# KiCad board Panel_R0.5.1_300x300_2layer_step1.kicad_pcb (continued)
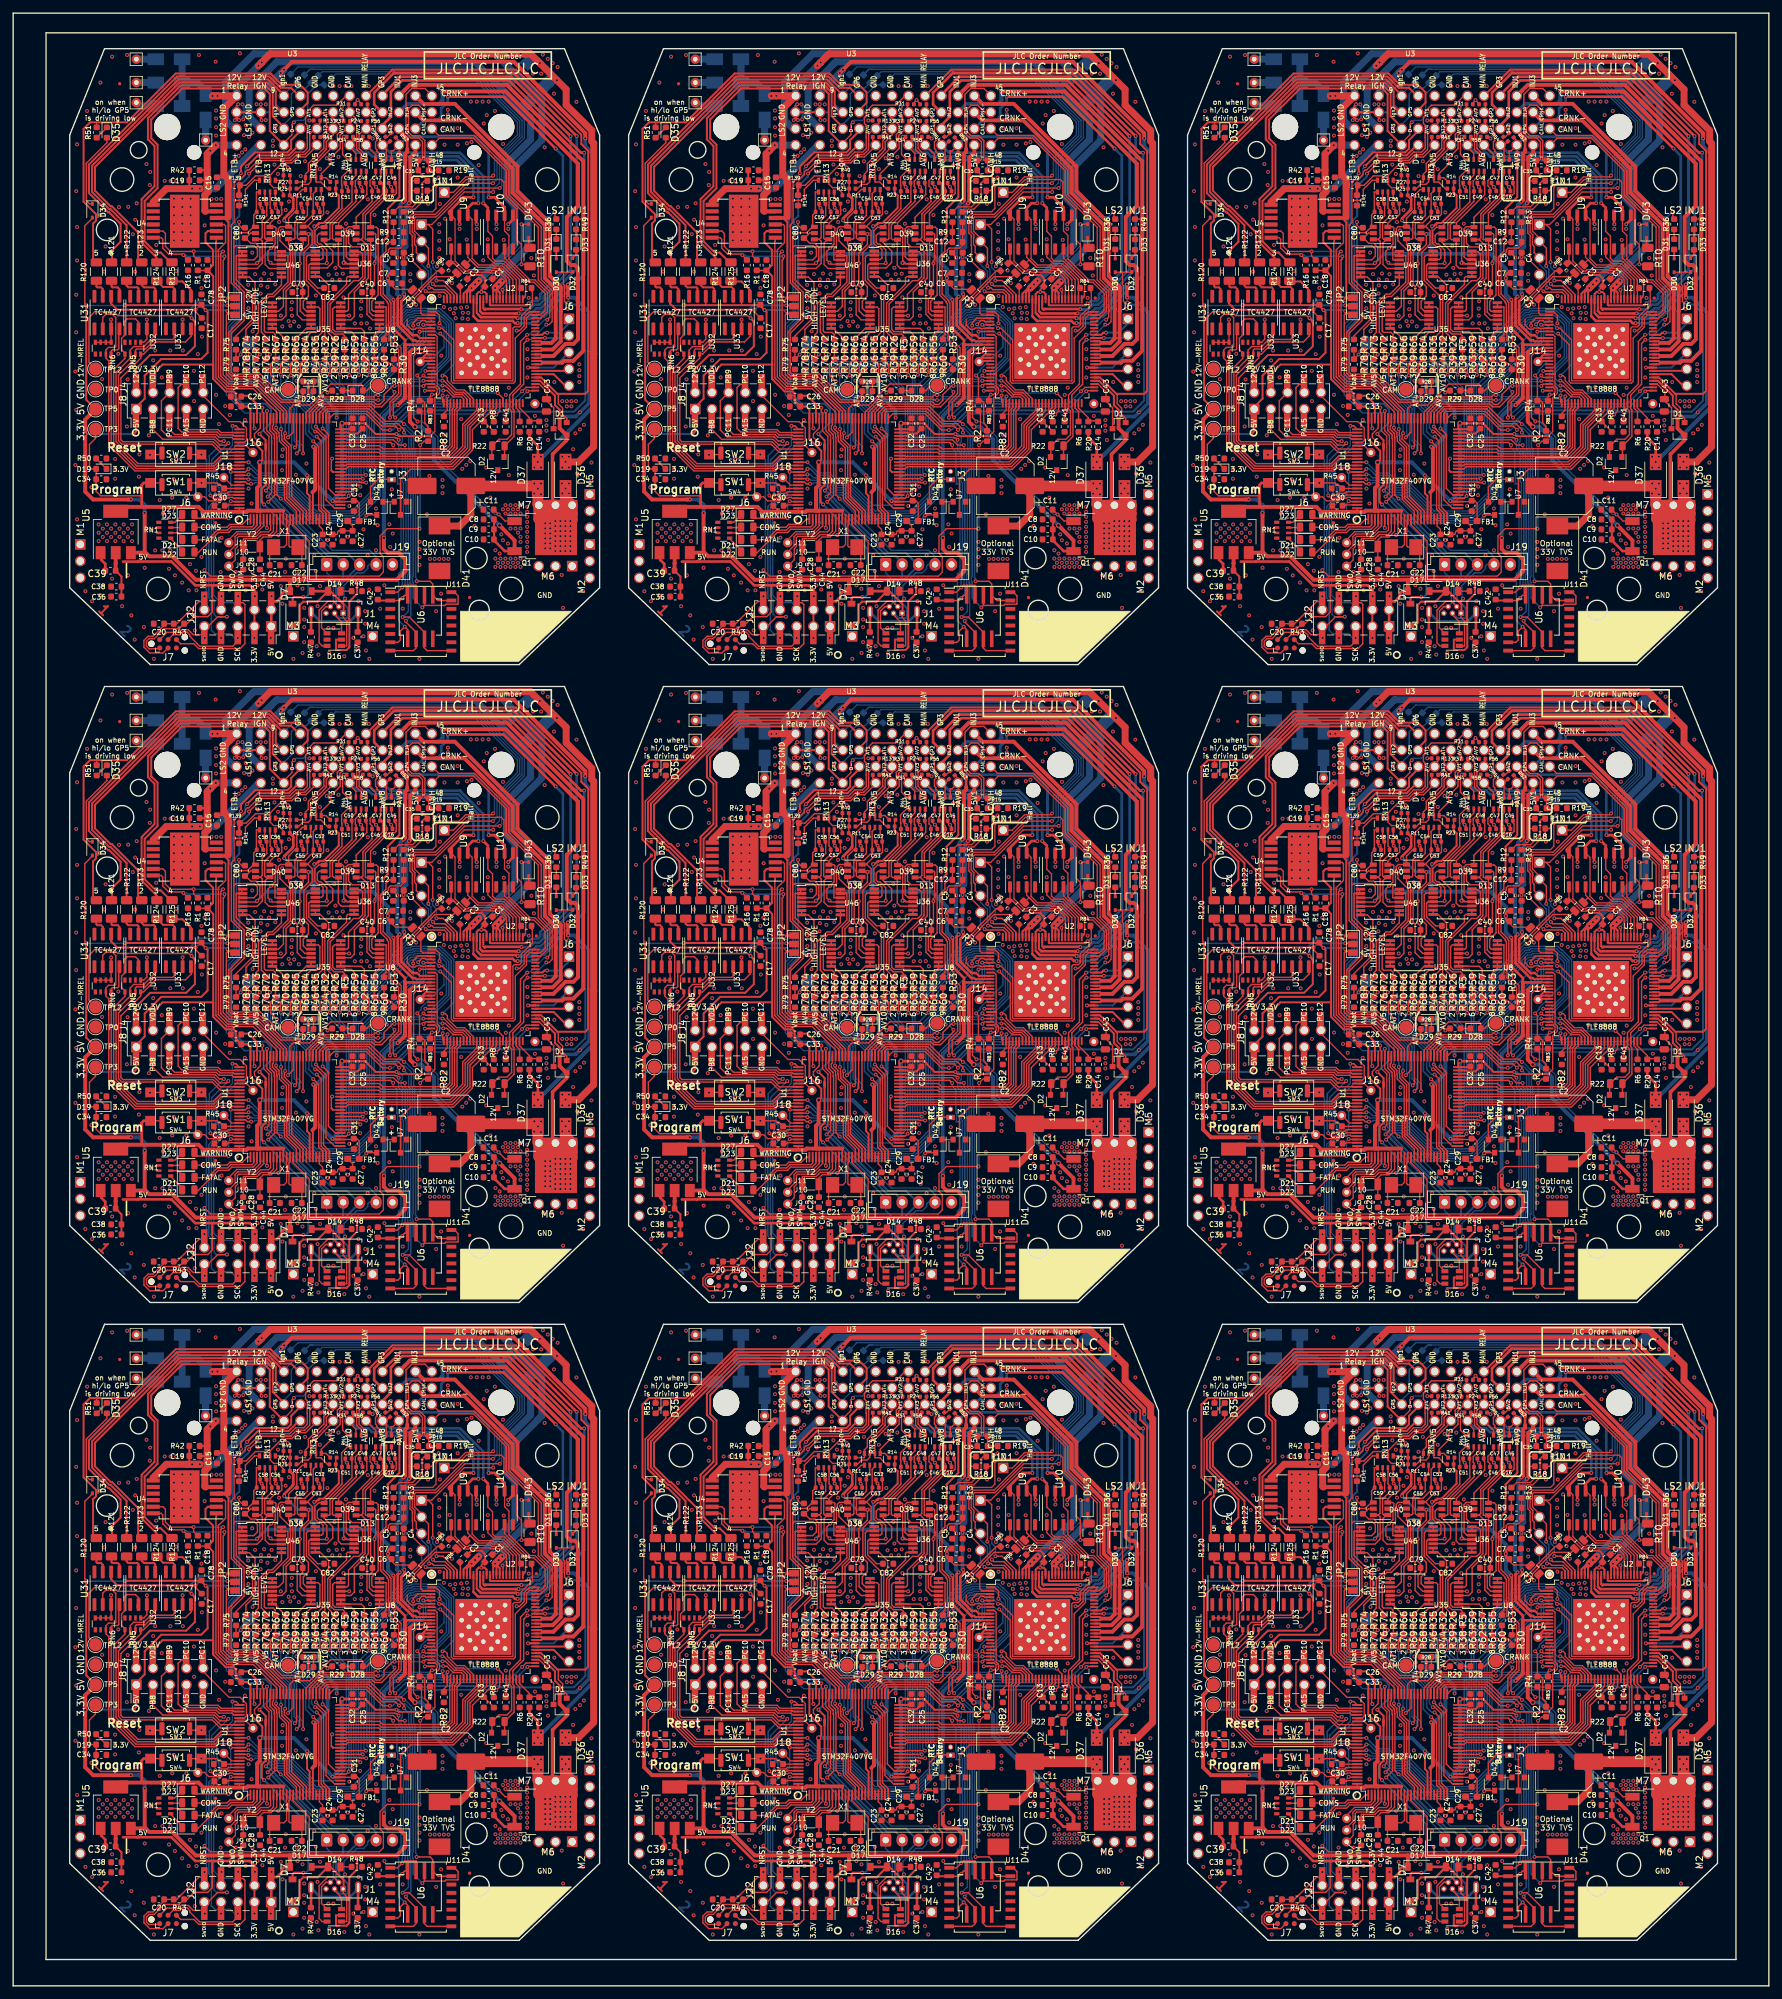
[diagram p0: board, top side]
## Routing (per net, layer and track width the routed paths; a pad name or vN(x,y) marks a point on that pad's centre or on a via; arc(x,y) is an arc through that point) (continued)
/hi-lo/Ign2_MCU: length 370.7
  Top w0.216: U32#2.4 106.6,251.04 104.86,249.29 103.32,249.29 102.8,248.77 RN5#2.6 102.8,247.53 100.65,245.38 100.65,234.82 103.97,231.49 115.4,231.49 116.63,232.72 U1#2.84 ; U32#3.4 191.6,251.04 189.86,249.29 188.32,249.29 187.8,248.77 RN5#3.6 187.8,247.53 185.65,245.38 185.65,234.82 188.97,231.49 200.4,231.49 201.63,232.72 U1#3.84 ; U32#6.4 21.6,154.04 19.86,152.29 18.32,152.29 17.8,151.77 RN5#6.6 17.8,150.53 15.65,148.38 15.65,137.82 18.97,134.49 30.4,134.49 31.63,135.72 U1#4.84 ; U32#5.4 106.6,154.04 104.86,152.29 103.32,152.29 102.8,151.77 RN5#5.6 102.8,150.53 100.65,148.38 100.65,137.82 103.97,134.49 115.4,134.49 116.63,135.72 U1#6.84 ; U32#4.4 191.6,154.04 189.86,152.29 188.32,152.29 187.8,151.77 RN5#4.6 187.8,150.53 185.65,148.38 185.65,137.82 188.97,134.49 200.4,134.49 201.63,135.72 U1#5.84 ; U1#9.84 116.63,38.72 115.4,37.49 103.97,37.49 100.65,40.82 100.65,51.38 102.8,53.53 RN5#8.6 102.8,54.77 103.32,55.29 104.86,55.29 106.6,57.04 U32#8.4 ; U32#7.4 191.6,57.04 189.86,55.29 188.32,55.29 187.8,54.77 RN5#7.6 187.8,53.53 185.65,51.38 185.65,40.82 188.97,37.49 200.4,37.49 201.63,38.72 U1#8.84 ; U1#7.84 31.63,38.72 30.4,37.49 18.97,37.49 15.65,40.82 15.65,51.38 17.8,53.53 RN5#9.6 17.8,54.77 18.32,55.29 19.86,55.29 21.6,57.04 U32#9.4 ; U32.4 21.6,251.04 19.86,249.29 18.32,249.29 17.8,248.77 RN5.6 17.8,247.53 15.65,245.38 15.65,234.82 18.97,231.49 30.4,231.49 31.63,232.72 U1.84
/hi-lo/Ign3_MCU: length 384.7
  Top w0.216: U1#2.83 116.5,233.22 115.27,234.45 101.54,234.45 101.02,234.97 101.02,244.95 103.6,247.53 RN5#2.7 103.6,248.77 103.76,248.92 105.09,248.92 106.54,250.37 109.27,250.37 109.5,250.6 U33#2.2 ; 109.56,252.21 109.56,251.5 ; U33#3.2 194.5,250.6 194.27,250.37 191.54,250.37 190.09,248.92 188.76,248.92 188.6,248.77 RN5#3.7 188.6,247.53 186.02,244.95 186.02,234.97 186.54,234.45 200.27,234.45 201.5,233.22 U1#3.83 ; 194.56,252.21 194.56,251.5 ; U1#4.83 31.5,136.22 30.27,137.45 16.54,137.45 16.02,137.97 16.02,147.95 18.6,150.53 RN5#6.7 18.6,151.77 18.76,151.92 20.09,151.92 21.54,153.37 24.27,153.37 24.5,153.6 U33#6.2 ; 24.56,155.21 24.56,154.5 ; U33#5.2 109.5,153.6 109.27,153.37 106.54,153.37 105.09,151.92 103.76,151.92 103.6,151.77 RN5#5.7 103.6,150.53 101.02,147.95 101.02,137.97 101.54,137.45 115.27,137.45 116.5,136.22 U1#6.83 ; 109.56,155.21 109.56,154.5 ; 194.56,155.21 194.56,154.5 ; U33#4.2 194.5,153.6 194.27,153.37 191.54,153.37 190.09,151.92 188.76,151.92 188.6,151.77 RN5#4.7 188.6,150.53 186.02,147.95 186.02,137.97 186.54,137.45 200.27,137.45 201.5,136.22 U1#5.83 ; 109.56,58.21 109.56,57.5 ; U33#8.2 109.5,56.6 109.27,56.37 106.54,56.37 105.09,54.92 103.76,54.92 103.6,54.77 RN5#8.7 103.6,53.53 101.02,50.95 101.02,40.97 101.54,40.45 115.27,40.45 116.5,39.22 U1#9.83 ; 194.56,58.21 194.56,57.5 ; U33#7.2 194.5,56.6 194.27,56.37 191.54,56.37 190.09,54.92 188.76,54.92 188.6,54.77 RN5#7.7 188.6,53.53 186.02,50.95 186.02,40.97 186.54,40.45 200.27,40.45 201.5,39.22 U1#8.83 ; 24.56,58.21 24.56,57.5 ; U33#9.2 24.5,56.6 24.27,56.37 21.54,56.37 20.09,54.92 18.76,54.92 18.6,54.77 RN5#9.7 18.6,53.53 16.02,50.95 16.02,40.97 16.54,40.45 30.27,40.45 31.5,39.22 U1#7.83 ; U33.2 24.5,250.6 24.27,250.37 21.54,250.37 20.09,248.92 18.76,248.92 18.6,248.77 RN5.7 18.6,247.53 16.02,244.95 16.02,234.97 16.54,234.45 30.27,234.45 31.5,233.22 U1.83 ; 24.56,252.21 24.56,251.5
/hi-lo/Ign4_MCU: length 380.9
  Top w0.216: 112.1,251.5 112.1,250.91 111.2,250 106.69,250 104.84,248.15 RN5#2.8 104.4,247.53 101.38,244.52 101.38,235.12 101.69,234.82 115.42,234.82 116.52,233.72 U1#2.82 ; 197.1,251.5 197.1,250.91 196.2,250 191.69,250 189.84,248.15 RN5#3.8 189.4,247.53 186.38,244.52 186.38,235.12 186.69,234.82 200.42,234.82 201.52,233.72 U1#3.82 ; 27.1,154.5 27.1,153.91 26.2,153 21.69,153 19.84,151.15 RN5#6.8 19.4,150.53 16.38,147.52 16.38,138.12 16.69,137.82 30.42,137.82 31.52,136.72 U1#4.82 ; 112.1,154.5 112.1,153.91 111.2,153 106.69,153 104.84,151.15 RN5#5.8 104.4,150.53 101.38,147.52 101.38,138.12 101.69,137.82 115.42,137.82 116.52,136.72 U1#6.82 ; 197.1,154.5 197.1,153.91 196.2,153 191.69,153 189.84,151.15 RN5#4.8 189.4,150.53 186.38,147.52 186.38,138.12 186.69,137.82 200.42,137.82 201.52,136.72 U1#5.82 ; 112.1,57.5 112.1,56.9 111.2,56 106.69,56 104.84,54.15 RN5#8.8 104.4,53.53 101.38,50.52 101.38,41.12 101.69,40.82 115.42,40.82 116.52,39.72 U1#9.82 ; U1#8.82 201.52,39.72 200.42,40.82 186.69,40.82 186.38,41.12 186.38,50.52 189.4,53.53 RN5#7.8 189.84,54.15 191.69,56 196.2,56 197.1,56.9 197.1,57.5 ; 27.1,57.5 27.1,56.9 26.2,56 21.69,56 19.84,54.15 RN5#9.8 19.4,53.53 16.38,50.52 16.38,41.12 16.69,40.82 30.42,40.82 31.52,39.72 U1#7.82 ; U1.82 31.52,233.72 30.42,234.82 16.69,234.82 16.38,235.12 16.38,244.52 19.4,247.53 RN5.8 19.84,248.15 21.69,250 26.2,250 27.1,250.91 27.1,251.5
/Ign1: length 505.1
  Top w0.305: 101.7,262.1 102.25,262.1 102.25,267.75 99.83,270.17 99.64,270.17 96.99,272.81 96.99,276.8 110.1,289.91 123.78,289.91 125.83,287.85 125.83,287.54 ; 186.7,262.1 187.25,262.1 187.25,267.75 184.83,270.17 184.64,270.17 181.99,272.81 181.99,276.8 195.1,289.91 208.78,289.91 210.83,287.85 210.83,287.54 ; 101.7,165.1 102.25,165.1 102.25,170.75 99.83,173.17 99.64,173.17 96.99,175.81 96.99,179.8 110.1,192.91 123.78,192.91 125.83,190.85 125.83,190.54 ; 16.7,165.1 17.25,165.1 17.25,170.75 14.83,173.17 14.64,173.17 11.99,175.81 11.99,179.8 25.1,192.91 38.78,192.91 40.83,190.85 40.83,190.54 ; 186.7,165.1 187.25,165.1 187.25,170.75 184.83,173.17 184.64,173.17 181.99,175.81 181.99,179.8 195.1,192.91 208.78,192.91 210.83,190.85 210.83,190.54 ; 125.83,93.54 125.83,93.85 123.78,95.91 110.1,95.91 96.99,82.8 96.99,78.81 99.64,76.17 99.83,76.17 102.25,73.75 102.25,68.1 101.7,68.1 ; 186.7,68.1 187.25,68.1 187.25,73.75 184.83,76.17 184.64,76.17 181.99,78.81 181.99,82.8 195.1,95.91 208.78,95.91 210.83,93.85 210.83,93.54 ; 16.7,68.1 17.25,68.1 17.25,73.75 14.83,76.17 14.64,76.17 11.99,78.81 11.99,82.8 25.1,95.91 38.78,95.91 40.83,93.85 40.83,93.54 ; 40.83,287.54 40.83,287.85 38.78,289.91 25.1,289.91 11.99,276.8 11.99,272.81 14.64,270.17 14.83,270.17 17.25,267.75 17.25,262.1 16.7,262.1
  Bottom w0.203: R21#2.1 128.1,289.4 127.9,289.4 126.17,287.67 U3#2.9 126.17,287.57 ; R21#3.1 213.1,289.4 212.9,289.4 211.17,287.67 U3#3.9 211.17,287.57 ; R21#4.1 43.1,192.4 42.9,192.4 41.17,190.67 U3#4.9 41.17,190.57 ; R21#6.1 128.1,192.4 127.9,192.4 126.17,190.67 U3#6.9 126.17,190.57 ; R21#5.1 213.1,192.4 212.9,192.4 211.17,190.67 U3#5.9 211.17,190.57 ; R21#9.1 128.1,95.4 127.9,95.4 126.17,93.67 U3#9.9 126.17,93.57 ; 211.17,93.57 U3#7.9 211.17,93.67 212.9,95.4 213.1,95.4 R21#8.1 ; R21#7.1 43.1,95.4 42.9,95.4 41.17,93.67 U3#8.9 41.17,93.57 ; 41.17,287.57 U3.9 41.17,287.67 42.9,289.4 43.1,289.4 R21.1
/Ign2: length 544.9
  Top w0.305: 104,262.1 104,266.65 100.02,270.62 99.82,270.62 97.45,273 97.45,276.61 110.29,289.45 123.59,289.45 124.94,288.1 124.94,285.76 125.83,284.87 ; 189,262.1 189,266.65 185.02,270.62 184.82,270.62 182.45,273 182.45,276.61 195.29,289.45 208.59,289.45 209.94,288.1 209.94,285.76 210.83,284.87 ; 104,165.1 104,169.65 100.02,173.62 99.82,173.62 97.45,176 97.45,179.61 110.29,192.45 123.59,192.45 124.94,191.1 124.94,188.76 125.83,187.87 ; 19,165.1 19,169.65 15.02,173.62 14.83,173.62 12.45,176 12.45,179.61 25.29,192.45 38.59,192.45 39.94,191.1 39.94,188.76 40.83,187.87 ; 189,165.1 189,169.65 185.02,173.62 184.82,173.62 182.45,176 182.45,179.61 195.29,192.45 208.59,192.45 209.94,191.1 209.94,188.76 210.83,187.87 ; 125.83,90.87 124.94,91.76 124.94,94.1 123.59,95.45 110.29,95.45 97.45,82.61 97.45,79 99.82,76.62 100.02,76.62 104,72.65 104,68.1 ; 189,68.1 189,72.65 185.02,76.62 184.82,76.62 182.45,79 182.45,82.61 195.29,95.45 208.59,95.45 209.94,94.1 209.94,91.76 210.83,90.87 ; 19,68.1 19,72.65 15.02,76.62 14.83,76.62 12.45,79 12.45,82.61 25.29,95.45 38.59,95.45 39.94,94.1 39.94,91.76 40.83,90.87 ; 40.83,284.87 39.94,285.76 39.94,288.1 38.59,289.45 25.29,289.45 12.45,276.61 12.45,273 14.83,270.62 15.02,270.62 19,266.65 19,262.1
  Bottom w0.203: R33.1 39.9,288.4 39.9,286.21 U3.10 ; 126.05,289.6 126.6,289.6 126.59,289.59 ; U3#2.10 124.9,286.21 124.9,288.4 R33#2.1 ; 211.59,289.59 211.6,289.6 211.05,289.6 ; R33#3.1 209.9,288.4 209.9,286.21 U3#3.10 ; 41.05,192.6 41.6,192.6 41.59,192.59 ; U3#4.10 39.9,189.21 39.9,191.4 R33#4.1 ; 126.59,192.59 126.6,192.6 126.05,192.6 ; R33#6.1 124.9,191.4 124.9,189.21 U3#6.10 ; 211.59,192.59 211.6,192.6 211.05,192.6 ; R33#5.1 209.9,191.4 209.9,189.21 U3#5.10 ; 126.59,95.59 126.6,95.6 126.05,95.6 ; R33#9.1 124.9,94.4 124.9,92.21 U3#9.10 ; 211.59,95.59 211.6,95.6 211.05,95.6 ; R33#7.1 209.9,94.4 209.9,92.21 U3#7.10 ; 41.59,95.59 41.6,95.6 41.05,95.6 ; R33#8.1 39.9,94.4 39.9,92.21 U3#8.10 ; 41.05,289.6 41.6,289.6 41.59,289.59
/Ign3: length 550.9
  Top w0.305: 125.83,282.46 125.83,282.98 124.48,284.33 124.48,287.91 123.4,288.99 110.48,288.99 105.5,284.01 105.5,280.8 106.5,279.8 106.5,273.68 104.54,271.72 104.54,265.1 106.8,262.84 106.8,262.6 106.3,262.1 ; 210.83,282.46 210.83,282.98 209.48,284.33 209.48,287.91 208.4,288.99 195.48,288.99 190.5,284.01 190.5,280.8 191.5,279.8 191.5,273.68 189.54,271.72 189.54,265.1 191.8,262.84 191.8,262.6 191.3,262.1 ; 40.83,185.46 40.83,185.98 39.48,187.33 39.48,190.91 38.4,191.99 25.48,191.99 20.5,187.01 20.5,183.8 21.5,182.8 21.5,176.68 19.54,174.72 19.54,168.1 21.8,165.84 21.8,165.6 21.3,165.1 ; 125.83,185.46 125.83,185.98 124.48,187.33 124.48,190.91 123.4,191.99 110.48,191.99 105.5,187.01 105.5,183.8 106.5,182.8 106.5,176.68 104.54,174.72 104.54,168.1 106.8,165.84 106.8,165.6 106.3,165.1 ; 191.3,165.1 191.8,165.6 191.8,165.84 189.54,168.1 189.54,174.72 191.5,176.68 191.5,182.8 190.5,183.8 190.5,187.01 195.48,191.99 208.4,191.99 209.48,190.91 209.48,187.33 210.83,185.98 210.83,185.46 ; 106.3,68.1 106.8,68.6 106.8,68.84 104.54,71.1 104.54,77.72 106.5,79.68 106.5,85.8 105.5,86.8 105.5,90.01 110.48,94.99 123.4,94.99 124.48,93.91 124.48,90.33 125.83,88.98 125.83,88.46 ; 191.3,68.1 191.8,68.6 191.8,68.84 189.54,71.1 189.54,77.72 191.5,79.68 191.5,85.8 190.5,86.8 190.5,90.01 195.48,94.99 208.4,94.99 209.48,93.91 209.48,90.33 210.83,88.98 210.83,88.46 ; 40.83,88.46 40.83,88.98 39.48,90.33 39.48,93.91 38.4,94.99 25.48,94.99 20.5,90.01 20.5,86.8 21.5,85.8 21.5,79.68 19.54,77.72 19.54,71.1 21.8,68.84 21.8,68.6 21.3,68.1 ; 21.3,262.1 21.8,262.6 21.8,262.84 19.54,265.1 19.54,271.72 21.5,273.68 21.5,279.8 20.5,280.8 20.5,284.01 25.48,288.99 38.4,288.99 39.48,287.91 39.48,284.33 40.83,282.98 40.83,282.46
  Bottom w0.203: U3#2.11 126.17,283.07 127.3,284.2 127.3,287.7 128.2,288.6 129.5,288.6 R80#2.1 ; R80#3.1 214.5,288.6 213.2,288.6 212.3,287.7 212.3,284.2 211.17,283.07 U3#3.11 ; U3#4.11 41.17,186.07 42.3,187.2 42.3,190.7 43.2,191.6 44.5,191.6 R80#4.1 ; R80#6.1 129.5,191.6 128.2,191.6 127.3,190.7 127.3,187.2 126.17,186.07 U3#6.11 ; U3#5.11 211.17,186.07 212.3,187.2 212.3,190.7 213.2,191.6 214.5,191.6 R80#5.1 ; R80#9.1 129.5,94.6 128.2,94.6 127.3,93.7 127.3,90.2 126.17,89.07 U3#9.11 ; U3#7.11 211.17,89.07 212.3,90.2 212.3,93.7 213.2,94.6 214.5,94.6 R80#8.1 ; U3#8.11 41.17,89.07 42.3,90.2 42.3,93.7 43.2,94.6 44.5,94.6 R80#7.1 ; R80.1 44.5,288.6 43.2,288.6 42.3,287.7 42.3,284.2 41.17,283.07 U3.11
/Ign4: length 610.2
  Top w0.203: v1(127.7,283.4) 127.4,283.1 127.4,281.5 126.17,280.27 U3#2.12 ; v1(212.7,283.4) 212.4,283.1 212.4,281.5 211.17,280.27 U3#3.12 ; v1(42.7,186.4) 42.4,186.1 42.4,184.5 41.17,183.27 U3#4.12 ; v1(127.7,186.4) 127.4,186.1 127.4,184.5 126.17,183.27 U3#6.12 ; v1(212.7,186.4) 212.4,186.1 212.4,184.5 211.17,183.27 U3#5.12 ; v1(127.7,89.4) 127.4,89.1 127.4,87.5 126.17,86.27 U3#9.12 ; v1(212.7,89.4) 212.4,89.1 212.4,87.5 211.17,86.27 U3#7.12 ; v1(42.7,89.4) 42.4,89.1 42.4,87.5 41.17,86.27 U3#8.12 ; v1(42.7,283.4) 42.4,283.1 42.4,281.5 41.17,280.27 U3.12
  Top w0.305: 126.18,279.93 124.02,282.09 124.02,287.72 123.2,288.54 110.7,288.54 106,283.83 106,280.95 106.96,279.99 106.96,273.39 105,271.43 105,265.29 106.69,263.6 107.43,263.6 108.93,262.1 R125#2.1 108.6,262.1 ; 193.6,262.1 R125#3.1 193.93,262.1 192.43,263.6 191.69,263.6 190,265.29 190,271.43 191.96,273.39 191.96,279.99 191,280.95 191,283.83 195.7,288.54 208.2,288.54 209.02,287.72 209.02,282.09 211.18,279.93 ; 41.18,182.93 39.02,185.09 39.02,190.72 38.2,191.54 25.7,191.54 21,186.83 21,183.95 21.96,182.99 21.96,176.39 20,174.43 20,168.29 21.69,166.6 22.43,166.6 23.93,165.1 R125#6.1 23.6,165.1 ; 108.6,165.1 R125#5.1 108.93,165.1 107.43,166.6 106.69,166.6 105,168.29 105,174.43 106.96,176.39 106.96,182.99 106,183.95 106,186.83 110.7,191.54 123.2,191.54 124.02,190.72 124.02,185.09 126.18,182.93 ; 193.6,165.1 R125#4.1 193.93,165.1 192.43,166.6 191.69,166.6 190,168.29 190,174.43 191.96,176.39 191.96,182.99 191,183.95 191,186.83 195.7,191.54 208.2,191.54 209.02,190.72 209.02,185.09 211.18,182.93 ; 108.6,68.1 R125#8.1 108.93,68.1 107.43,69.6 106.69,69.6 105,71.29 105,77.43 106.96,79.39 106.96,85.99 106,86.95 106,89.83 110.7,94.54 123.2,94.54 124.02,93.72 124.02,88.09 126.18,85.93 ; 193.6,68.1 R125#7.1 193.93,68.1 192.43,69.6 191.69,69.6 190,71.29 190,77.43 191.96,79.39 191.96,85.99 191,86.95 191,89.83 195.7,94.54 208.2,94.54 209.02,93.72 209.02,88.09 211.18,85.93 ; 41.18,85.93 39.02,88.09 39.02,93.72 38.2,94.54 25.7,94.54 21,89.83 21,86.95 21.96,85.99 21.96,79.39 20,77.43 20,71.29 21.69,69.6 22.43,69.6 23.93,68.1 R125#9.1 23.6,68.1 ; 41.18,279.93 39.02,282.09 39.02,287.72 38.2,288.54 25.7,288.54 21,283.83 21,280.95 21.96,279.99 21.96,273.39 20,271.43 20,265.29 21.69,263.6 22.43,263.6 23.93,262.1 R125.1 23.6,262.1
  Bottom w0.203: v1(127.7,283.4) 128,283.7 129.15,283.7 129.8,284.35 129.8,287.7 131.19,289.09 R81#2.1 ; R81#3.1 216.19,289.09 214.8,287.7 214.8,284.35 214.15,283.7 213,283.7 v1(212.7,283.4) ; v1(42.7,186.4) 43,186.7 44.15,186.7 44.8,187.35 44.8,190.7 46.19,192.09 R81#4.1 ; R81#6.1 131.19,192.09 129.8,190.7 129.8,187.35 129.15,186.7 128,186.7 v1(127.7,186.4) ; v1(212.7,186.4) 213,186.7 214.15,186.7 214.8,187.35 214.8,190.7 216.19,192.09 R81#5.1 ; R81#9.1 131.19,95.09 129.8,93.7 129.8,90.35 129.15,89.7 128,89.7 v1(127.7,89.4) ; R81#8.1 216.19,95.09 214.8,93.7 214.8,90.35 214.15,89.7 213,89.7 v1(212.7,89.4) ; R81#7.1 46.19,95.09 44.8,93.7 44.8,90.35 44.15,89.7 43,89.7 v1(42.7,89.4) ; R81.1 46.19,289.09 44.8,287.7 44.8,284.35 44.15,283.7 43,283.7 v1(42.7,283.4)
/INJECTOR-1: length 655.2
  Top w0.203: 171.6,268.7 170.61,268.7 R49#2.2 ; 256.6,268.7 255.61,268.7 R49#3.2 ; 256.6,171.7 255.61,171.7 R49#5.2 ; 171.6,171.7 170.61,171.7 R49#4.2 ; 86.6,171.7 85.61,171.7 R49#6.2 ; 171.6,74.7 170.61,74.7 R49#7.2 ; 86.6,74.7 85.61,74.7 R49#9.2 ; 256.6,74.7 255.61,74.7 R49#8.2 ; R49.2 85.61,268.7 86.6,268.7
  Top w0.305: U2#2.60 165.3,247.1 165.55,246.85 165.3,246.6 U2#2.59 ; U2#3.59 250.3,246.6 250.55,246.85 250.3,247.1 U2#3.60 ; U2#5.59 250.3,149.6 250.55,149.85 250.3,150.1 U2#5.60 ; U2#6.59 165.3,149.6 165.55,149.85 165.3,150.1 U2#6.60 ; U2#4.60 80.3,150.1 80.55,149.85 80.3,149.6 U2#4.59 ; U2#9.59 165.3,52.6 165.55,52.85 165.3,53.1 U2#9.60 ; U2#7.60 80.3,53.1 80.55,52.85 80.3,52.6 U2#7.59 ; U2#8.59 250.3,52.6 250.55,52.85 250.3,53.1 U2#8.60 ; U2.60 80.3,247.1 80.55,246.85 80.3,246.6 U2.59
  Top w0.6: 171.7,268.8 171.7,277.47 160.07,289.1 145.34,289.1 U3#2.37 143.66,287.43 143.6,287.49 ; 171.6,268.7 171.7,268.6 171.7,248.65 170.18,247.13 168.78,247.13 168.5,246.85 165.55,246.85 ; 228.6,287.49 228.66,287.43 U3#3.37 230.34,289.1 245.07,289.1 256.7,277.47 256.7,268.8 ; 256.6,268.7 256.7,268.6 256.7,248.65 255.18,247.13 253.78,247.13 253.5,246.85 250.55,246.85 ; 228.6,190.49 228.66,190.43 U3#5.37 230.34,192.1 245.07,192.1 256.7,180.47 256.7,171.8 ; 250.55,149.85 253.5,149.85 253.78,150.13 255.18,150.13 256.7,151.65 256.7,171.6 256.6,171.7 ; 143.6,190.49 143.66,190.43 U3#6.37 145.34,192.1 160.07,192.1 171.7,180.47 171.7,171.8 ; 171.6,171.7 171.7,171.6 171.7,151.65 170.18,150.13 168.78,150.13 168.5,149.85 165.55,149.85 ; 86.7,171.8 86.7,180.47 75.07,192.1 60.34,192.1 U3#4.37 58.66,190.43 58.6,190.49 ; 86.6,171.7 86.7,171.6 86.7,151.65 85.18,150.13 83.78,150.13 83.5,149.85 80.55,149.85 ; 143.6,93.49 143.66,93.43 U3#9.37 145.34,95.1 160.07,95.1 171.7,83.47 171.7,74.8 ; 171.6,74.7 171.7,74.6 171.7,54.65 170.18,53.13 168.78,53.13 168.5,52.85 165.55,52.85 ; 86.7,74.8 86.7,83.47 75.07,95.1 60.34,95.1 U3#8.37 58.66,93.43 58.6,93.49 ; 80.55,52.85 83.5,52.85 83.78,53.13 85.18,53.13 86.7,54.65 86.7,74.6 86.6,74.7 ; 228.6,93.49 228.66,93.43 U3#7.37 230.34,95.1 245.07,95.1 256.7,83.47 256.7,74.8 ; 250.55,52.85 253.5,52.85 253.78,53.13 255.18,53.13 256.7,54.65 256.7,74.6 256.6,74.7 ; 86.7,268.8 86.7,277.47 75.07,289.1 60.34,289.1 U3.37 58.66,287.43 58.6,287.49 ; 80.55,246.85 83.5,246.85 83.78,247.13 85.18,247.13 86.7,248.65 86.7,268.6 86.6,268.7
/INJECTOR-2: length 642.7
  Top w0.305: U2#2.62 164.4,248.1 165.29,248.1 165.54,247.85 165.29,247.6 U2#2.61 ; U2#3.62 249.4,248.1 250.29,248.1 250.54,247.85 250.29,247.6 U2#3.61 ; U2#5.62 249.4,151.1 250.29,151.1 250.54,150.85 250.29,150.6 U2#5.61 ; U2#4.62 79.4,151.1 80.29,151.1 80.54,150.85 80.29,150.6 U2#4.61 ; U2#6.62 164.4,151.1 165.29,151.1 165.54,150.85 165.29,150.6 U2#6.61 ; U2#7.62 79.4,54.1 80.29,54.1 80.54,53.85 80.29,53.6 U2#7.61 ; U2#9.61 165.29,53.6 165.54,53.85 165.29,54.1 164.4,54.1 U2#9.62 ; U2#8.62 249.4,54.1 250.29,54.1 250.54,53.85 250.29,53.6 U2#8.61 ; U2.61 80.29,247.6 80.54,247.85 80.29,248.1 79.4,248.1 U2.62
  Top w0.6: v1(150.3,288.1) 159.9,288.1 170.9,277.1 170.9,270.7 169.2,269 169.2,262.31 169.81,261.7 170.4,261.7 170.9,261.2 170.9,258.71 ; 165.54,247.85 167.15,247.85 169,249.7 170.2,249.7 170.9,250.4 170.9,258.71 ; 255.9,258.71 255.9,250.4 255.2,249.7 254,249.7 252.15,247.85 250.54,247.85 ; v1(235.3,288.1) 244.9,288.1 255.9,277.1 255.9,270.7 254.2,269 254.2,262.31 254.81,261.7 255.4,261.7 255.9,261.2 255.9,258.71 ; 250.54,150.85 252.15,150.85 254,152.7 255.2,152.7 255.9,153.4 255.9,161.71 ; v1(235.3,191.1) 244.9,191.1 255.9,180.1 255.9,173.7 254.2,172 254.2,165.31 254.81,164.7 255.4,164.7 255.9,164.2 255.9,161.71 ; v1(65.3,191.1) 74.9,191.1 85.9,180.1 85.9,173.7 84.2,172 84.2,165.31 84.81,164.7 85.4,164.7 85.9,164.2 85.9,161.71 ; 80.54,150.85 82.15,150.85 84,152.7 85.2,152.7 85.9,153.4 85.9,161.71 ; 170.9,161.71 170.9,153.4 170.2,152.7 169,152.7 167.15,150.85 165.54,150.85 ; v1(150.3,191.1) 159.9,191.1 170.9,180.1 170.9,173.7 169.2,172 169.2,165.31 169.81,164.7 170.4,164.7 170.9,164.2 170.9,161.71 ; v1(65.3,94.1) 74.9,94.1 85.9,83.1 85.9,76.7 84.2,75 84.2,68.31 84.81,67.7 85.4,67.7 85.9,67.2 85.9,64.71 ; 85.9,64.71 85.9,56.4 85.2,55.7 84,55.7 82.15,53.85 80.54,53.85 ; v1(150.3,94.1) 159.9,94.1 170.9,83.1 170.9,76.7 169.2,75 169.2,68.31 169.81,67.7 170.4,67.7 170.9,67.2 170.9,64.71 ; 170.9,64.71 170.9,56.4 170.2,55.7 169,55.7 167.15,53.85 165.54,53.85 ; 250.54,53.85 252.15,53.85 254,55.7 255.2,55.7 255.9,56.4 255.9,64.71 ; 255.9,64.71 255.9,67.2 255.4,67.7 254.81,67.7 254.2,68.31 254.2,75 255.9,76.7 255.9,83.1 244.9,94.1 v1(235.3,94.1) ; v1(65.3,288.1) 74.9,288.1 85.9,277.1 85.9,270.7 84.2,269 84.2,262.31 84.81,261.7 85.4,261.7 85.9,261.2 85.9,258.71 ; 80.54,247.85 82.15,247.85 84,249.7 85.2,249.7 85.9,250.4 85.9,258.71
  Bottom w0.55: 150.25,286.7 149.75,286.2 144.95,286.2 143.68,284.93 ; 235.25,286.7 234.75,286.2 229.95,286.2 228.68,284.93 ; 235.25,189.7 234.75,189.2 229.95,189.2 228.68,187.93 ; 150.25,189.7 149.75,189.2 144.95,189.2 143.68,187.93 ; 65.25,189.7 64.75,189.2 59.95,189.2 58.68,187.93 ; 150.25,92.7 149.75,92.2 144.95,92.2 143.68,90.93 ; 65.25,92.7 64.75,92.2 59.95,92.2 58.68,90.93 ; 235.25,92.7 234.75,92.2 229.95,92.2 228.68,90.93 ; 65.25,286.7 64.75,286.2 59.95,286.2 58.68,284.93
  Bottom w0.6: 150.13,286.58 150.3,286.75 v1(150.3,288.1) ; 235.13,286.58 235.3,286.75 v1(235.3,288.1) ; 235.13,189.58 235.3,189.75 v1(235.3,191.1) ; 65.13,189.58 65.3,189.75 v1(65.3,191.1) ; 150.13,189.58 150.3,189.75 v1(150.3,191.1) ; 65.13,92.58 65.3,92.75 v1(65.3,94.1) ; v1(150.3,94.1) 150.3,92.75 150.13,92.58 ; 235.13,92.58 235.3,92.75 v1(235.3,94.1) ; v1(65.3,288.1) 65.3,286.75 65.13,286.58
/INJECTOR-3: length 495.6
  Top w0.305: U2#2.63 165.25,248.6 165.5,248.85 165.25,249.1 U2#2.64 ; U2#3.64 250.25,249.1 250.5,248.85 250.25,248.6 U2#3.63 ; U2#5.64 250.25,152.1 250.5,151.85 250.25,151.6 U2#5.63 ; U2#4.63 80.25,151.6 80.5,151.85 80.25,152.1 U2#4.64 ; U2#6.64 165.25,152.1 165.5,151.85 165.25,151.6 U2#6.63 ; U2#7.63 80.25,54.6 80.5,54.85 80.25,55.1 U2#7.64 ; U2#9.64 165.25,55.1 165.5,54.85 165.25,54.6 U2#9.63 ; U2#8.63 250.25,54.6 250.5,54.85 250.25,55.1 U2#8.64 ; U2.64 80.25,249.1 80.5,248.85 80.25,248.6 U2.63
  Top w0.55: 147.43,286.2 149.28,286.2 ; 232.43,286.2 234.28,286.2 ; 232.43,189.2 234.28,189.2 ; 62.43,189.2 64.28,189.2 ; 147.43,189.2 149.28,189.2 ; 62.43,92.2 64.28,92.2 ; 147.43,92.2 149.28,92.2 ; 232.43,92.2 234.28,92.2 ; 62.43,286.2 64.28,286.2
  Top w0.6: 149.28,286.2 152.18,286.2 161.7,276.68 161.7,272.98 166.61,268.07 166.61,260.03 168.29,258.34 168.29,254.68 168.27,254.66 168.27,250.07 167.05,248.85 165.5,248.85 ; 146.14,287.49 147.43,286.2 ; 234.28,286.2 237.18,286.2 246.7,276.68 246.7,272.98 251.61,268.07 251.61,260.03 253.29,258.34 253.29,254.68 253.27,254.66 253.27,250.07 252.05,248.85 250.5,248.85 ; 231.14,287.49 232.43,286.2 ; 231.14,190.49 232.43,189.2 ; 250.5,151.85 252.05,151.85 253.27,153.07 253.27,157.66 253.29,157.68 253.29,161.34 251.61,163.03 251.61,171.07 246.7,175.98 246.7,179.68 237.18,189.2 234.28,189.2 ; 149.28,189.2 152.18,189.2 161.7,179.68 161.7,175.98 166.61,171.07 166.61,163.03 168.29,161.34 168.29,157.68 168.27,157.66 168.27,153.07 167.05,151.85 165.5,151.85 ; 64.28,189.2 67.18,189.2 76.7,179.68 76.7,175.98 81.61,171.07 81.61,163.03 83.29,161.34 83.29,157.68 83.27,157.66 83.27,153.07 82.05,151.85 80.5,151.85 ; 61.14,190.49 62.43,189.2 ; 146.14,190.49 147.43,189.2 ; 149.28,92.2 152.18,92.2 161.7,82.68 161.7,78.98 166.61,74.07 166.61,66.03 168.29,64.34 168.29,60.68 168.27,60.66 168.27,56.07 167.05,54.85 165.5,54.85 ; 64.28,92.2 67.18,92.2 76.7,82.68 76.7,78.98 81.61,74.07 81.61,66.03 83.29,64.34 83.29,60.68 83.27,60.66 83.27,56.07 82.05,54.85 80.5,54.85 ; 61.14,93.49 62.43,92.2 ; 146.14,93.49 147.43,92.2 ; 234.28,92.2 237.18,92.2 246.7,82.68 246.7,78.98 251.61,74.07 251.61,66.03 253.29,64.34 253.29,60.68 253.27,60.66 253.27,56.07 252.05,54.85 250.5,54.85 ; 231.14,93.49 232.43,92.2 ; 80.5,248.85 82.05,248.85 83.27,250.07 83.27,254.66 83.29,254.68 83.29,258.34 81.61,260.03 81.61,268.07 76.7,272.98 76.7,276.68 67.18,286.2 64.28,286.2 ; 61.14,287.49 62.43,286.2
/INJECTOR-4: length 464.8
  Top w0.305: U2#2.65 165.25,249.6 165.5,249.85 165.25,250.1 U2#2.66 ; U2#3.65 250.25,249.6 250.5,249.85 250.25,250.1 U2#3.66 ; U2#5.65 250.25,152.6 250.5,152.85 250.25,153.1 U2#5.66 ; U2#6.65 165.25,152.6 165.5,152.85 165.25,153.1 U2#6.66 ; U2#4.65 80.25,152.6 80.5,152.85 80.25,153.1 U2#4.66 ; U2#9.65 165.25,55.6 165.5,55.85 165.25,56.1 U2#9.66 ; U2#7.65 80.25,55.6 80.5,55.85 80.25,56.1 U2#7.66 ; U2#8.65 250.25,55.6 250.5,55.85 250.25,56.1 U2#8.66 ; U2.65 80.25,249.6 80.5,249.85 80.25,250.1 U2.66
  Top w0.55: 147.39,283.7 149.25,283.7 ; 232.39,283.7 234.25,283.7 ; 232.39,186.7 234.25,186.7 ; 147.39,186.7 149.25,186.7 ; 62.39,186.7 64.25,186.7 ; 147.39,89.7 149.25,89.7 ; 62.39,89.7 64.25,89.7 ; 232.39,89.7 234.25,89.7 ; 62.39,283.7 64.25,283.7
  Top w0.6: 146.14,284.95 147.39,283.7 ; 165.5,249.85 166.85,249.85 167.52,250.52 167.52,254.97 167.54,254.99 167.54,258.03 165.85,259.72 165.85,267.76 160.93,272.68 160.93,276.38 153.62,283.7 149.25,283.7 ; 231.14,284.95 232.39,283.7 ; 234.25,283.7 238.62,283.7 245.93,276.38 245.93,272.68 250.85,267.76 250.85,259.72 252.54,258.03 252.54,254.99 252.52,254.97 252.52,250.52 251.85,249.85 250.5,249.85 ; 231.14,187.95 232.39,186.7 ; 250.5,152.85 251.85,152.85 252.52,153.52 252.52,157.97 252.54,157.99 252.54,161.03 250.85,162.72 250.85,170.76 245.93,175.68 245.93,179.38 238.62,186.7 234.25,186.7 ; 146.14,187.95 147.39,186.7 ; 61.14,187.95 62.39,186.7 ; 80.5,152.85 81.85,152.85 82.52,153.52 82.52,157.97 82.54,157.99 82.54,161.03 80.85,162.72 80.85,170.76 75.93,175.68 75.93,179.38 68.62,186.7 64.25,186.7 ; 149.25,186.7 153.62,186.7 160.93,179.38 160.93,175.68 165.85,170.76 165.85,162.72 167.54,161.03 167.54,157.99 167.52,157.97 167.52,153.52 166.85,152.85 165.5,152.85 ; 146.14,90.95 147.39,89.7 ; 61.14,90.95 62.39,89.7 ; 64.25,89.7 68.62,89.7 75.93,82.38 75.93,78.68 80.85,73.76 80.85,65.72 82.54,64.03 82.54,60.99 82.52,60.97 82.52,56.52 81.85,55.85 80.5,55.85 ; 149.25,89.7 153.62,89.7 160.93,82.38 160.93,78.68 165.85,73.76 165.85,65.72 167.54,64.03 167.54,60.99 167.52,60.97 167.52,56.52 166.85,55.85 165.5,55.85 ; 231.14,90.95 232.39,89.7 ; 250.5,55.85 251.85,55.85 252.52,56.52 252.52,60.97 252.54,60.99 252.54,64.03 250.85,65.72 250.85,73.76 245.93,78.68 245.93,82.38 238.62,89.7 234.25,89.7 ; 64.25,283.7 68.62,283.7 75.93,276.38 75.93,272.68 80.85,267.76 80.85,259.72 82.54,258.03 82.54,254.99 82.52,254.97 82.52,250.52 81.85,249.85 80.5,249.85 ; 61.14,284.95 62.39,283.7
